# KiCad board MurPhySDR.kicad_pcb (continued)
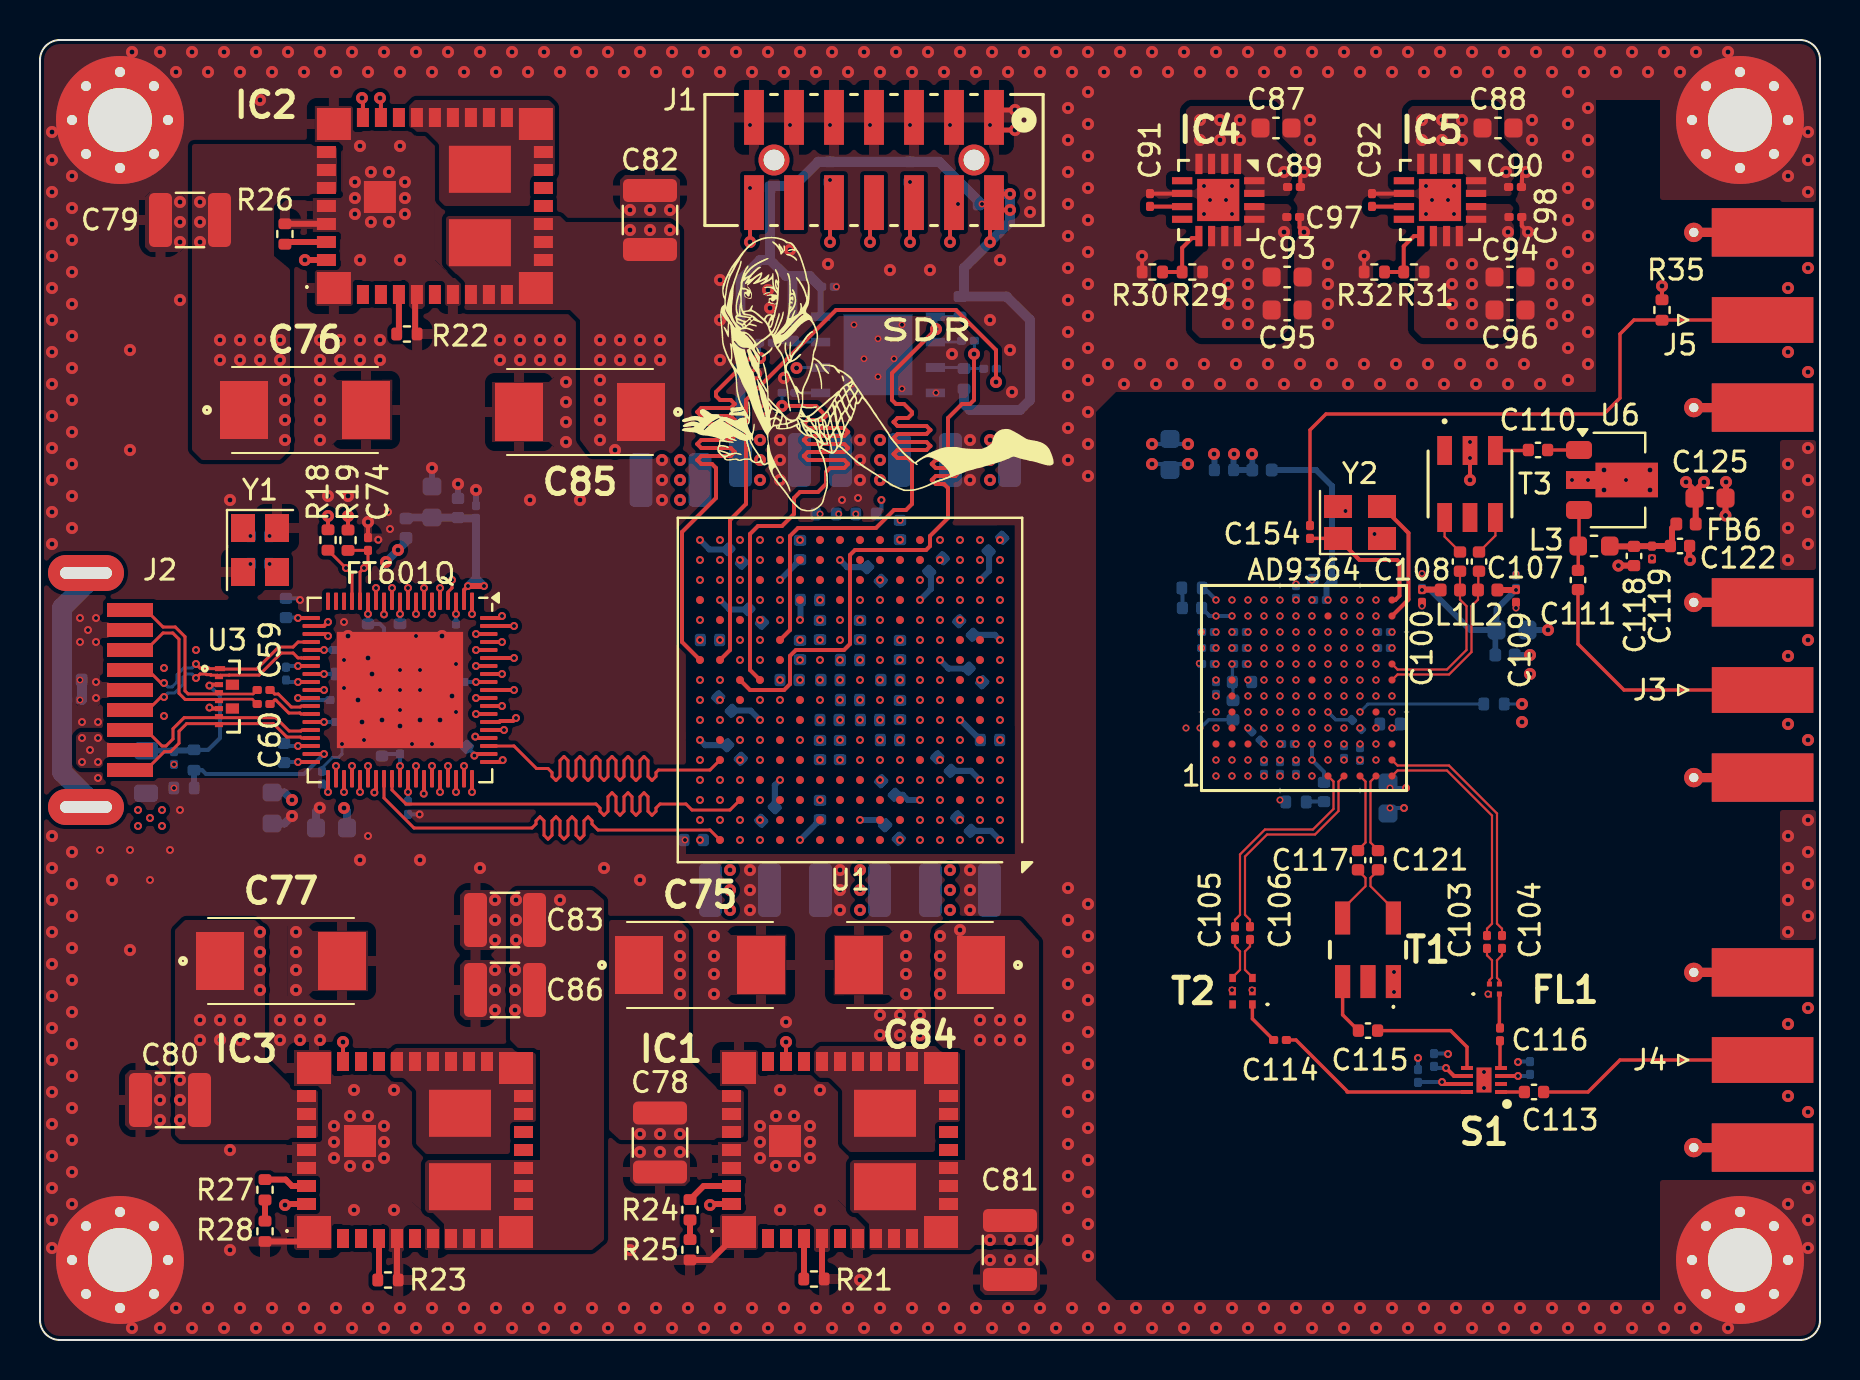
[diagram p0: board, top side]
## Routing (per net, layer and track width the routed paths; a pad name or vN(x,y) marks a point on that pad's centre or on a via; arc(x,y) is an arc through that point) (continued)
RFE_P0D9: length 23.8
  In5.Cu w0.15: v3(48,33) 48.5,33 48.6,33.1 48.9,33.1 49.06,32.94 49.06,32.77 49.23,32.6 49.4,32.77 49.4,33.2 49.49,33.3 49.63,33.3 49.72,33.2 49.72,32.77 49.89,32.6 50.06,32.77 50.06,33.2 50.15,33.3 50.29,33.3 50.38,33.2 50.38,32.82 50.55,32.65 50.72,32.82 50.72,33.2 50.81,33.3 50.95,33.3 51.04,33.2 51.04,32.82 51.21,32.65 51.38,32.82 51.38,33.2 51.47,33.3 51.61,33.3 51.71,33.2 51.71,32.77 51.87,32.6 52.03,32.77 52.03,33.2 52.13,33.3 52.27,33.3 52.37,33.2 52.37,32.72 52.53,32.55 52.69,32.72 52.69,33.2 52.79,33.3 52.93,33.3 53.03,33.2 53.03,32.72 53.19,32.55 53.35,32.72 53.35,33.2 53.45,33.3 53.59,33.3 53.69,33.2 53.69,32.82 53.85,32.65 54.01,32.82 54.01,33.2 54.11,33.3 54.25,33.3 54.34,33.2 54.34,32.82 54.51,32.65 54.68,32.82 54.68,33.2 54.77,33.3 54.91,33.3 55,33.2 55,32.82 55.17,32.65 55.34,32.82 55.34,32.94 55.5,33.1 55.66,32.94 55.66,32.77 55.83,32.6 60.8,32.6 v3(61.2,33)
RFE_P0D10: length 24.1
  In5.Cu w0.15: v3(48,36) 49.5,36 50.6,37.1 50.77,37.1 50.94,36.94 50.94,36.72 51.1,36.55 51.26,36.72 51.26,36.94 51.43,37.1 51.59,36.94 51.59,36.72 51.76,36.55 51.93,36.72 51.93,36.94 52.09,37.1 52.25,36.94 52.25,36.72 52.42,36.55 52.59,36.72 52.59,36.94 52.75,37.1 52.91,36.94 52.91,36.72 53.08,36.55 53.25,36.72 53.25,36.94 53.41,37.1 53.57,36.94 53.57,36.72 53.74,36.55 53.91,36.72 53.91,36.94 54.07,37.1 54.24,36.94 54.24,36.72 54.4,36.55 54.56,36.72 54.56,36.94 54.73,37.1 54.9,36.94 54.9,36.72 55.06,36.55 55.22,36.72 55.22,36.94 55.39,37.1 55.56,36.94 55.56,36.72 55.72,36.55 55.88,36.72 55.88,36.94 56.05,37.1 56.22,36.94 56.22,36.72 56.38,36.55 56.54,36.72 56.54,36.94 56.71,37.1 56.88,36.94 56.88,36.72 57.04,36.55 57.39,36.9 57.9,36.9 58.2,36.6 60.55,36.6 60.8,36.35 60.8,36 61,35.8 61.4,35.8 61.6,35.6 61.6,35.26 61.84,35.02 62.12,35.02 62.4,34.74 62.4,34.55 62.7,34.25 62.7,33.9 v3(62.8,33.8)
RFE_P0D11: length 26.5
  In2.Cu w0.15: v3(45,32) 45.6,32.6 49.2,32.6 49.9,31.9 50.4,31.9 50.77,32.27 50.81,32.27 51,32.09 51,31.71 51.19,31.52 51.21,31.52 51.4,31.71 51.4,32.09 51.59,32.28 51.61,32.28 51.8,32.09 51.8,31.71 51.99,31.52 52.01,31.52 52.2,31.71 52.2,32.09 52.39,32.28 52.41,32.28 52.6,32.09 52.6,31.71 52.79,31.52 52.81,31.52 53,31.71 53,32.09 53.19,32.28 53.21,32.28 53.4,32.09 53.4,31.71 53.59,31.52 53.61,31.52 53.8,31.71 53.8,32.09 53.99,32.28 54.01,32.28 54.2,32.09 54.2,31.71 54.39,31.52 54.41,31.52 54.6,31.71 54.6,32.09 54.79,32.28 54.81,32.28 55,32.09 55,31.71 55.19,31.52 55.21,31.52 55.4,31.71 55.4,32.09 55.59,32.28 55.61,32.28 55.8,32.09 55.8,31.71 55.99,31.52 56.01,31.52 56.2,31.71 56.2,32.09 56.39,32.28 56.41,32.28 56.6,32.09 56.6,31.71 56.79,31.53 56.81,31.53 57.19,31.9 58.4,31.9 58.59,31.72 59.01,31.72 59.9,32.6 61.6,32.6 v3(62,33)
RFE_P1D0: length 25.7
  In5.Cu w0.15: v3(46,40) 47.6,41.6 57,41.6 57.2,41.8 57.4,41.8 57.6,41.6 57.8,41.6 58,41.8 58.2,41.8 58.4,41.6 58.6,41.6 58.8,41.8 59,41.8 59.2,41.6 59.4,41.6 59.6,41.8 59.8,41.8 60,41.6 60.2,41.6 60.4,41.8 60.6,41.8 60.8,41.6 61,41.6 61.2,41.8 61.4,41.8 61.6,41.6 63.2,41.6 66.31,38.48 66.31,36.51 v3(66,36.2)
RFE_P1D1: length 26.7
  In2.Cu w0.15: v3(65.2,37) 65.2,37.7 60.9,42 57.63,42 57.37,42.27 57.23,42.27 57.1,42.13 57.1,41.91 57.01,41.83 56.79,41.83 56.7,41.91 56.7,42.14 56.56,42.27 56.44,42.27 56.3,42.14 56.3,41.91 56.21,41.83 55.99,41.83 55.9,41.91 55.9,42.06 55.84,42.12 55.56,42.12 55.5,42.06 55.5,41.91 55.41,41.83 55.19,41.83 55.1,41.91 55.1,42.14 54.96,42.27 54.84,42.27 54.7,42.14 54.7,41.91 54.61,41.83 54.39,41.83 54.3,41.91 54.3,42.14 54.16,42.27 54.04,42.27 53.9,42.14 53.9,41.92 53.82,41.83 53.57,41.83 53.4,42 50.8,42 48.3,39.5 45.5,39.5 v3(45,40)
RFE_P1D2: length 26.3
  In2.Cu w0.15: v3(66,35.4) 65.58,35.82 65.04,35.82 64,36.86 64,37.15 63.2,37.95 63.2,38.3 60.9,40.6 56.24,40.6 56.09,40.45 55.91,40.45 55.84,40.53 55.84,40.67 55.76,40.75 55.58,40.75 55.5,40.67 55.5,40.53 55.43,40.45 55.25,40.45 55.18,40.53 55.18,40.67 55.1,40.75 54.92,40.75 54.84,40.67 54.84,40.53 54.77,40.45 54.59,40.45 54.51,40.53 54.51,40.67 54.44,40.75 54.26,40.75 54.19,40.67 54.19,40.53 54.11,40.45 53.93,40.45 53.85,40.53 53.85,40.67 53.78,40.75 53.6,40.75 53.53,40.67 53.53,40.53 53.45,40.45 53.27,40.45 53.19,40.53 53.19,40.67 53.12,40.75 52.94,40.75 52.87,40.67 52.87,40.53 52.79,40.45 52.61,40.45 52.53,40.53 52.53,40.67 52.46,40.75 52.28,40.75 52.21,40.67 52.21,40.53 52.13,40.45 51.95,40.45 51.8,40.6 51.3,40.6 49.2,38.5 46.5,38.5 v3(46,38)
RFE_P1D3: length 26.7
  In2.Cu w0.15: v3(65.2,36.2) 64.82,36.58 64.82,37.38 60.9,41.3 58.76,41.3 58.56,41.5 58.43,41.5 58.33,41.4 58.33,41.2 58.23,41.1 58.1,41.1 58,41.2 58,41.4 57.9,41.5 57.77,41.5 57.67,41.4 57.67,41.2 57.57,41.1 57.44,41.1 57.34,41.2 57.34,41.4 57.24,41.5 57.11,41.5 57.01,41.4 57.01,41.2 56.91,41.1 56.78,41.1 56.68,41.2 56.68,41.4 56.58,41.5 56.45,41.5 56.35,41.4 56.35,41.2 56.25,41.1 56.12,41.1 56.02,41.2 56.02,41.4 55.92,41.5 55.79,41.5 55.69,41.4 55.69,41.2 55.59,41.1 55.46,41.1 55.36,41.2 55.36,41.4 55.26,41.5 55.13,41.5 55.03,41.4 55.03,41.2 54.93,41.1 54.8,41.1 54.7,41.2 54.7,41.4 54.6,41.5 54.47,41.5 54.37,41.4 54.37,41.2 54.27,41.1 54.14,41.1 54.04,41.2 54.04,41.4 53.94,41.5 53.81,41.5 53.71,41.4 53.71,41.2 53.61,41.1 53.48,41.1 53.38,41.2 53.38,41.4 53.28,41.5 53.15,41.5 53.05,41.4 53.05,41.2 52.95,41.1 52.82,41.1 52.72,41.2 52.72,41.4 52.62,41.5 52.49,41.5 52.39,41.4 52.39,41.2 52.29,41.1 52.16,41.1 52.06,41.2 52.06,41.4 51.96,41.5 51.83,41.5 51.73,41.4 51.73,41.2 51.63,41.1 51.5,41.1 51.3,41.3 51.1,41.3 48.8,39 v3(48,39)
RFE_P1D4: length 26.7
  In2.Cu w0.15: v3(47,40) 49.6,42.6 55.2,42.6 55.48,42.88 55.66,42.88 55.8,42.74 55.8,42.51 55.89,42.42 56.11,42.42 56.29,42.6 62.3,42.6 66.38,38.52 66.38,34.98 v3(66,34.6)
RFE_P1D5: length 27
  In2.Cu w0.15: v3(65.2,35.4) 65,35.4 63.8,36.6 63.4,36.6 63.2,36.8 63.2,37.2 63,37.4 62.5,37.4 62.4,37.5 62.4,38 60.9,39.5 60.22,39.5 59.62,40.1 59.49,40.1 59.39,40 59.39,39.8 59.29,39.7 59.16,39.7 59.06,39.8 59.06,40 58.96,40.1 58.83,40.1 58.73,40 58.73,39.8 58.63,39.7 58.5,39.7 58.4,39.8 58.4,40 58.3,40.1 58.17,40.1 58.07,40 58.07,39.8 57.97,39.7 57.84,39.7 57.74,39.8 57.74,40 57.64,40.1 57.51,40.1 57.41,40 57.41,39.8 57.31,39.7 57.18,39.7 57.08,39.8 57.08,40 56.98,40.1 56.85,40.1 56.75,40 56.75,39.8 56.65,39.7 56.52,39.7 56.42,39.8 56.42,40 56.32,40.1 56.19,40.1 56.09,40 56.09,39.8 55.99,39.7 55.86,39.7 55.76,39.8 55.76,40 55.66,40.1 55.53,40.1 55.43,40 55.43,39.8 55.33,39.7 55.2,39.7 55.1,39.8 55.1,40 55,40.1 54.87,40.1 54.77,40 54.77,39.8 54.67,39.7 54.54,39.7 54.44,39.8 54.44,40 54.34,40.1 54.21,40.1 54.11,40 54.11,39.8 54.01,39.7 53.88,39.7 53.78,39.8 53.78,40 53.68,40.1 53.55,40.1 53.45,40 53.45,39.8 53.35,39.7 53.22,39.7 53.12,39.8 53.12,40 53.02,40.1 52.89,40.1 52.79,40 52.79,39.8 52.69,39.7 52.56,39.7 52.46,39.8 52.46,40 52.36,40.1 52.23,40.1 52.13,40 52.13,39.8 52.03,39.7 51.9,39.7 51.7,39.9 51.3,39.9 49.5,38.1 49,38.1 48.9,38 v3(48,38)
RFE_P1D6: length 25.7
  In5.Cu w0.15: v3(47,39) 47.5,39.5 48.3,39.5 49.9,41.1 62.8,41.1 65.62,38.28 65.62,36.04 65.86,35.8 66.05,35.8 66.31,35.53 66.31,34.12 v3(66,33.8)
RFE_P1D7: length 24.4
  In5.Cu w0.15: v3(65.2,34.6) 65.51,34.91 65.51,35.53 65.25,35.8 65.1,35.8 64.7,36.2 64.7,36.85 64.72,36.87 64.72,38.49 63.5,39.7 49.3,39.7 48.1,38.5 46.5,38.5 v3(46,39)
RFE_P1D8: length 26.4
  In2.Cu w0.15: v3(66,33) 65.62,33.38 57.8,33.38 57.43,33.01 55.27,33.01 55.02,33.26 54.94,33.26 54.81,33.14 54.81,32.89 54.69,32.77 54.61,32.77 54.49,32.89 54.49,33.14 54.36,33.26 54.28,33.26 54.16,33.14 54.16,32.89 54.03,32.77 53.95,32.77 53.82,32.89 53.82,33.14 53.7,33.26 53.62,33.26 53.5,33.14 53.5,32.89 53.37,32.77 53.29,32.77 53.16,32.89 53.16,33.14 53.04,33.26 52.96,33.26 52.84,33.14 52.84,32.89 52.71,32.77 52.63,32.77 52.5,32.89 52.5,33.14 52.38,33.26 52.3,33.26 52.18,33.14 52.18,32.89 52.05,32.77 51.97,32.77 51.84,32.89 51.84,33.14 51.72,33.26 51.64,33.26 51.51,33.14 51.51,32.89 51.39,32.77 51.31,32.77 51.19,32.89 51.19,33.14 51.06,33.26 50.98,33.26 50.85,33.14 50.85,32.89 50.73,32.77 50.64,32.77 50.4,33.01 49.18,33.01 48.7,33.5 45.5,33.5 v3(45,33)
RFE_P1D9: length 26.5
  In2.Cu w0.15: v3(48,34) 49.4,34 49.51,34.12 49.6,34.12 49.98,33.73 50.01,33.73 50.2,33.92 50.2,34.31 50.39,34.5 50.41,34.5 50.6,34.31 50.6,33.92 50.79,33.73 50.81,33.73 51,33.92 51,34.31 51.19,34.5 51.21,34.5 51.4,34.31 51.4,33.92 51.59,33.73 51.61,33.73 51.8,33.92 51.8,34.31 51.99,34.5 52.01,34.5 52.2,34.31 52.2,33.92 52.39,33.73 52.41,33.73 52.6,33.92 52.6,34.31 52.79,34.5 52.81,34.5 53,34.31 53,33.92 53.19,33.73 53.21,33.73 53.4,33.92 53.4,34.31 53.59,34.5 53.61,34.5 53.8,34.31 53.8,33.92 53.99,33.73 54.01,33.73 54.2,33.92 54.2,34.31 54.39,34.5 54.41,34.5 54.6,34.31 54.6,33.92 54.79,33.73 54.81,33.73 55,33.92 55,34.31 55.19,34.5 55.21,34.5 55.4,34.31 55.4,33.92 55.59,33.73 55.61,33.73 55.8,33.92 55.8,34.31 55.99,34.5 56.01,34.5 56.45,34.06 56.45,33.95 56.59,33.81 56.73,33.95 56.73,34.06 56.87,34.2 57.45,34.2 57.55,34.1 57.65,34.1 57.75,34.2 64.8,34.2 v3(65.2,33.8)
RFE_P1D10: length 25.3
  In2.Cu w0.15: v3(65.2,33) 64.8,32.6 62.6,32.6 62.4,32.4 62.4,32.06 62.16,31.82 61.92,31.82 61.6,31.5 61.6,31.2 61.31,30.91 60.27,30.91 59.35,30 58.66,30 58.46,29.8 58.33,29.8 58.23,29.9 58.23,30.1 58.13,30.2 58,30.2 57.9,30.1 57.9,29.9 57.8,29.8 57.67,29.8 57.57,29.9 57.57,30.1 57.47,30.2 57.34,30.2 57.24,30.1 57.24,29.9 57.14,29.8 57.01,29.8 56.91,29.9 56.91,30.1 56.81,30.2 56.68,30.2 56.58,30.1 56.58,29.9 56.48,29.8 56.35,29.8 56.25,29.9 56.25,30.1 56.15,30.2 56.02,30.2 55.92,30.1 55.92,29.9 55.82,29.8 55.69,29.8 55.59,29.9 55.59,30.1 55.49,30.2 55.36,30.2 55.26,30.1 55.26,29.9 55.16,29.8 55.03,29.8 54.93,29.9 54.93,30.1 54.83,30.2 54.7,30.2 54.6,30.1 54.6,29.9 54.5,29.8 54.37,29.8 54.27,29.9 54.27,30.1 54.17,30.2 54.04,30.2 53.94,30.1 53.94,29.9 53.84,29.8 53.71,29.8 53.61,29.9 53.61,30.1 53.51,30.2 53.38,30.2 53.28,30.1 53.28,29.9 53.18,29.8 53.05,29.8 52.95,29.9 52.95,30.1 52.85,30.2 52.72,30.2 52.62,30.1 52.62,29.9 52.52,29.8 52.39,29.8 52.29,29.9 52.29,30.1 52.19,30.2 52.06,30.2 51.96,30.1 51.96,29.9 51.86,29.8 51.73,29.8 51.63,29.9 51.63,30.1 51.53,30.2 51.4,30.2 51.2,30 50.6,30 49.6,31 v3(48,31)
RFE_P1D11: length 24.3
  In5.Cu w0.15: v3(64.4,33.8) 64.4,34.15 64.72,34.47 64.72,35.53 64,36.25 64,38.4 63.1,39.3 54.19,39.3 54.01,39.12 53.79,39.12 53.7,39.21 53.7,39.35 53.65,39.4 53.35,39.4 53.3,39.35 53.3,39.2 53.2,39.11 53,39.11 52.9,39.2 52.9,39.35 52.85,39.4 52.55,39.4 52.5,39.35 52.5,39.2 52.4,39.11 52.19,39.11 52,39.3 50.1,39.3 48.3,37.5 47.5,37.5 v3(47,37)
RFE_RESETB: length 42.6
  In5.Cu w0.15: v3(45,38) 44.5,38.5 44.5,40.1 44.9,40.5 45.1,40.5 47.1,42.5 63.5,42.5 67.2,38.8 67.2,33.75 66.85,33.4 65.95,33.4 65.69,33.13 65.69,31.72 v3(66,31.4)
  Bottom w0.15: R36.2 66.4,31.8 v3(66,31.4)
RFE_RX_FRAME_P: length 24.4
  In5.Cu w0.15: v3(48,37) 48.4,37 50.2,38.8 50.5,38.8 50.6,38.7 50.85,38.7 50.9,38.75 50.9,38.85 50.95,38.9 51.2,38.9 51.25,38.85 51.25,38.75 51.3,38.7 51.55,38.7 51.6,38.75 51.6,38.85 51.65,38.9 51.9,38.9 51.95,38.85 51.95,38.75 52,38.7 52.25,38.7 52.35,38.8 52.6,38.8 52.7,38.7 52.95,38.7 53.05,38.8 53.3,38.8 53.4,38.7 53.65,38.7 53.75,38.8 54,38.8 54.1,38.7 54.35,38.7 54.4,38.75 54.4,38.85 54.45,38.9 54.7,38.9 54.75,38.85 54.75,38.75 54.8,38.7 55.05,38.7 55.1,38.75 55.1,38.85 55.15,38.9 55.4,38.9 55.45,38.85 55.45,38.75 55.5,38.7 55.75,38.7 55.8,38.75 55.8,38.85 55.85,38.9 56.1,38.9 56.15,38.85 56.15,38.75 56.2,38.7 56.45,38.7 56.5,38.75 56.5,38.85 56.55,38.9 56.8,38.9 56.85,38.85 56.85,38.75 56.9,38.7 57.15,38.7 57.2,38.75 57.2,38.85 57.25,38.9 57.5,38.9 57.55,38.85 57.55,38.75 57.6,38.7 57.85,38.7 57.9,38.75 57.9,38.85 57.95,38.9 58.2,38.9 58.25,38.85 58.25,38.75 58.3,38.7 58.55,38.7 58.6,38.75 58.6,38.85 58.65,38.9 58.9,38.9 58.95,38.85 58.95,38.75 59,38.7 59.25,38.7 59.3,38.75 59.3,38.85 59.35,38.9 59.6,38.9 59.65,38.85 59.65,38.75 59.7,38.7 59.95,38.7 60.05,38.8 62.6,38.8 63.2,38.2 63.2,35.98 63.47,35.72 63.73,35.72 63.98,35.47 63.98,34.18 v3(63.6,33.8)
RFE_SPI_CLK: length 24.5
  In5.Cu w0.15: v3(65.2,31.4) 65.51,31.09 65.51,28.62 61.9,25 55.72,25 55.59,25.13 55.32,25.13 55.19,25 48.97,25 48.47,25.5 46.5,25.5 v3(46,25)
RFE_SPI_DI: length 26.5
  In2.Cu w0.15: v3(48,27) 48.5,27 51,24.5 52.2,24.5 52.6,24.9 52.6,24.9 52.8,24.7 52.8,24.35 52.95,24.2 53.05,24.2 53.2,24.35 53.2,24.7 53.4,24.9 53.4,24.9 53.6,24.7 53.6,24.35 53.75,24.2 53.85,24.2 54,24.35 54,24.7 54.2,24.9 54.2,24.9 54.4,24.7 54.4,24.35 54.55,24.2 54.65,24.2 54.8,24.35 54.8,24.7 55,24.9 55,24.9 55.2,24.7 55.2,24.35 55.35,24.2 55.45,24.2 55.6,24.35 55.6,24.7 55.8,24.9 55.8,24.9 56,24.7 56,24.35 56.15,24.2 56.25,24.2 56.55,24.5 60.8,24.5 64.72,28.42 64.72,30.12 v3(65.2,30.6)
RFE_SPI_DO: length 25.7
  In5.Cu w0.15: v3(47,25) 47.4,24.6 54.69,24.6 54.87,24.42 55.1,24.42 55.19,24.51 55.19,24.65 55.24,24.7 55.54,24.7 55.59,24.65 55.59,24.51 55.68,24.42 55.9,24.42 55.99,24.51 55.99,24.65 56.04,24.7 56.34,24.7 56.39,24.65 56.39,24.53 56.46,24.46 56.72,24.46 56.86,24.6 62.05,24.6 66.4,28.95 66.4,31.8 v3(66.8,32.2)
RFE_SPI_ENB: length 26.7
  In2.Cu w0.15: v3(47,26) 47.5,25.5 48.6,25.5 50.7,23.4 54.7,23.4 54.83,23.27 55.1,23.27 55.23,23.4 61.7,23.4 66.31,28.01 66.31,31.88 v3(66,32.2)
RFE_TX_FRAME_P: length 24.3
  In5.Cu w0.11: v3(46,37) 46.37,36.63 48.2,36.63 48.27,36.7 48.4,36.7
  In5.Cu w0.15: v3(63.6,34.6) 63.6,34.8 63.18,35.22 63.18,35.56 62.96,35.78 62.64,35.78 62.31,36.11 62.31,37.13 62.02,37.43 61.67,37.43 61.61,37.49 61.61,37.83 61.55,37.89 61.21,37.89 61.15,37.95 61.15,38.3 60.51,38.3 60.27,38.06 60.18,38.06 59.94,38.3 59.85,38.3 59.61,38.06 59.52,38.06 59.28,38.3 59.19,38.3 58.95,38.06 58.86,38.06 58.62,38.3 58.53,38.3 58.29,38.06 58.2,38.06 57.96,38.3 57.87,38.3 57.63,38.06 57.54,38.06 57.3,38.3 57.21,38.3 56.97,38.06 56.88,38.06 56.64,38.3 56.55,38.3 56.31,38.06 56.22,38.06 55.98,38.3 55.89,38.3 55.65,38.06 55.56,38.06 55.32,38.3 55.23,38.3 54.99,38.06 54.9,38.06 54.66,38.3 54.57,38.3 54.33,38.06 54.24,38.06 54,38.3 53.91,38.3 53.67,38.06 53.58,38.06 53.34,38.3 53.25,38.3 53.01,38.06 52.92,38.06 52.68,38.3 52.59,38.3 52.35,38.06 52.26,38.06 52.02,38.3 51.93,38.3 51.69,38.06 51.6,38.06 51.36,38.3 51.27,38.3 51.03,38.06 50.94,38.06 50.7,38.3 50.5,38.3 48.9,36.7 48.4,36.7
RFE_TXNRX: length 26.5
  In2.Cu w0.15: v3(47,27) 47.5,26.5 48.3,26.5 50.9,23.9 57,23.9 57.24,24.14 57.43,24.14 57.55,24.02 57.55,23.83 57.62,23.75 57.88,23.75 57.95,23.83 57.95,24.02 58.07,24.14 58.23,24.14 58.47,23.9 61.4,23.9 65.6,28.1 65.6,30.8 65.42,30.98 64.78,30.98 v3(64.4,30.6)
Net-(C100-Pad1): length 10
  Top w0.3: 69.2,37.52 70.01,37.52 L1.1 ; v3(73.8,37.5) L2.1
  Bottom w0.3: FB5.1 72.76,35.44 C99.1 ; v3(69.1,37.5) 69.12,37.52 69.5,37.52 71.52,35.5 C99.1 ; C109.1 72.82,36.54 C99.1
Net-(C118-Pad1): length 4.3
  Top w0.3: 79.76,39.62 C118.1 78.51,39.68 L3.1 ; FB6.1 81.6,40.59 81.6,39.78 C122.2 80.6,39.7 C119.1 79.76,39.69
Net-(C140-Pad1): length 0.8
  Bottom w0.2: C140.1 57.12,37.41
Net-(C141-Pad1): length 0.9
  Bottom w0.2: C141.1 63.33,26.92 R34.1
Net-(IC1-PWRGD): length 80
  Top w0.2: IC2.28 16.15,62.05 v1(16.1,62.1) ; IC1.27 v1(37.3,14.9)
  In2.Cu w0.2: v1(16.1,62.1) 15.1,62.1 10,57 10,52 8,50 8,35 9,34 9,24 10,23 28,23 29,22 29,16 30.1,14.9 v1(37.3,14.9)
Net-(IC1-RT/CLK): length 2
  Top w0.3: 38.19,5.06 IC1.4 38.2,3.06 R21.1
Net-(IC1-VADJ): length 2.4
  Top w0.3: R24.1 33.18,7.7 IC1.35
Net-(IC2-PWRGD): length 62.1
  Top w0.2: v1(17,62.1) 17.05,62.05 IC2.27 ; v1(15.15,14.9) IC3.28
  In2.Cu w0.2: v1(15.15,14.9) 15.15,20.85 14,22 9.5,22 8,23.5 8,31 7,32 7,50.5 9,52.5 9,58 13.75,62.75 16.35,62.75 v1(17,62.1)
Net-(IC2-RT/CLK): length 1.9
  Top w0.3: 17.95,52.28 17.95,50.41
Net-(IC2-VADJ): length 2
  Top w0.3: IC2.35 12.29,54.9
Net-(IC3-RT/CLK): length 1.9
  Top w0.3: IC3.4 16.95,3.21
Net-(IC3-VADJ): length 2.2
  Top w0.3: R27.1 12.28,8.02 12.6,7.7 IC3.35
Net-(IC4-ADJ): length 3.2
  Top w0.2: 57.95,55.1 57.6,55.1 57.11,54.61 R29.2 56.13,53.4
Net-(IC4-SS): length 1.6
  Top w0.2: IC4.7 55.51,56.67 C91.1
Net-(IC5-ADJ): length 3.3
  Top w0.2: IC5.9 68.7,55.2 68.19,54.69 R31.2 R32.1
Net-(IC5-SS): length 1.6
  Top w0.2: C92.1 66.61,56.67 IC5.7
Net-(J2-SHIELD): length 12.7
  Bottom w1: J2.10 2.3,27.2 1.1,28.4 1.1,36.6 2.3,37.8 J2.10
Net-(J5-In): length 31.6
  Top w0.15: 86.12,50.99 J5.1
  Top w0.17: C154.2 63.5,45.5 64.3,46.3 78.2,46.3 79,47.1 79,50.3 79.7,51 J5.1
Net-(R24-Pad2): length 1
  Top w0.3: R24.2 R25.1
Net-(R27-Pad2): length 1.1
  Top w0.3: R28.1 R27.2
Net-(U1A-IO_L1N_T0_D01_DIN_14): length 31.1
  Top w0.2: v1(46.7,49.3) 46.7,47 46.5,46.8 46.1,46.8 45.4,46.1 45.4,44.2 45.2,44 44.79,44 44.59,43.8 44.79,43.6 45.76,43.6 45.96,43.4 45.76,43.2 44.79,43.2 44.59,43 44.79,42.8 45.2,42.8 45.4,42.6 45.4,41.1 44.5,40.2 44.5,39.7 44.3,39.5 40.75,39.5 40.5,39.25 40.5,34.8 40.2,34.5 37.8,34.5 37.5,34.2 37.5,32.8 37.2,32.5 35.5,32.5 U1.J14
  Bottom w0.15: 46.7,49.46 v1(46.7,49.3) 46.72,49.48 R5.2
Net-(U1A-IO_L1P_T0_D00_MOSI_14): length 31.1
  Top w0.2: U1.J13 35.5,33.5 35.5,40.3 35.9,40.7 37.1,40.7 37.7,41.3 37.7,42.1 38,42.4 38.9,42.4 39.3,42.8 39.3,43.4 39.5,43.6 40.21,43.6 40.41,43.8 40.21,44 38.39,44 38.19,44.2 38.39,44.4 40.21,44.4 40.41,44.6 40.21,44.8 38.39,44.8 38.19,45 38.39,45.2 40.21,45.2 40.41,45.4 40.21,45.6 38.39,45.6 38.19,45.8 38.39,46 39.1,46 39.3,46.2 38.8,46.7 v1(37.1,46.7)
  Bottom w0.15: R4.2 37.1,46.87 v1(37.1,46.7) 37.1,46.86
Net-(U1A-IO_L2N_T0_D03_14): length 31.3
  Top w0.2: v1(36,49.1) 35.5,49.1 33.8,47.4 33.8,47.2 34,47 34.54,47 34.74,46.8 34.54,46.6 33.06,46.6 32.86,46.4 33.06,46.2 34.54,46.2 34.74,46 34.54,45.8 33.06,45.8 32.86,45.6 33.06,45.4 34.54,45.4 34.74,45.2 34.54,45 33.06,45 32.86,44.8 33.06,44.6 34.54,44.6 34.74,44.4 34.54,44.2 33.06,44.2 32.86,44 33.06,43.8 33.6,43.8 33.8,43.6 33.8,42.1 32.1,40.4 32.1,34.9 U1.K16
  Bottom w0.15: R7.2 35.98,49.38 v1(36,49.1) 36,49.36
Net-(U1A-IO_L2P_T0_D02_14): length 31.2
  Top w0.2: v1(47.8,47.9) 47.8,49.5 45.8,51.5 39.8,51.5 35.3,47 35.3,41.8 34.5,41 34.5,34.5 U1.K15
  Bottom w0.15: R6.2 47.82,48.08 v1(47.8,47.9) 47.8,48.06
Net-(U1A-IO_L6P_T0_FCS_B_14): length 32.4
  Top w0.2: v1(44.8,50.54) 42.6,48.34 42.6,47 42.8,46.8 43.2,46.8 43.6,46.4 43.6,46.3 43.4,46.1 42.88,46.1 42.68,45.9 42.88,45.7 44.32,45.7 44.52,45.5 44.32,45.3 42.88,45.3 42.68,45.1 42.88,44.9 44.32,44.9 44.52,44.7 44.32,44.5 42.88,44.5 42.68,44.3 42.88,44.1 43.4,44.1 43.6,43.9 43.6,41.8 43.3,41.5 42.7,41.5 41.8,40.6 37.9,40.6 37.5,40.2 37.5,35.5 U1.L12
  Bottom w0.15: 46.2,51.15 46.19,51.17 U2.1 44.8,51.14 v1(44.8,50.54)
Net-(U1C-DONE_0): length 13.2
  In5.Cu w0.2: v2(42.07,42) 38.5,38.43 38.5,34.9 38.9,34.5 39.3,34.5 39.5,34.3 39.5,32.5 v3(39,32)
  Bottom w0.2: R10.2 41.81,41.31 42.07,41.57 v2(42.07,42) 42.1,42
Net-(U1C-INIT_B_0): length 9.2
  In5.Cu w0.2: v3(39,34) 38.52,34 37.6,34.92 37.6,40.7 38.2,41.3 v3(39,41.3)
Net-(U1C-PROGRAM_B_0): length 24.7
  Top w0.2: 35.5,56.87 v1(35.5,54.9)
  In2.Cu w0.2: v1(35.5,54.9) 39.66,50.74 39.66,46.2 39.86,46 39.87,46 40.07,45.8 39.87,45.6 39.45,45.6 39.25,45.4 39.53,45.12 39.53,35.47 v3(40,35)
  vias: v3(35.5,57.6)
Net-(U1C-TCK_0): length 22.5
  Top w0.2: 43.5,56.87 v1(43.5,54.9)
  In5.Cu w0.2: v1(43.5,54.9) 43.54,54.86 43.54,36.54 v3(42,35)
  vias: v3(43.5,57.9)
Net-(U1C-TDI_0): length 24.7
  Top w0.2: 39.5,56.87 v1(39.5,54.9)
  In2.Cu w0.2: v1(39.5,54.9) 41.56,52.84 41.56,47.5 41.34,47.28 40.85,47.28 40.63,47.05 40.85,46.82 41.87,46.82 42.09,46.6 41.87,46.38 40.85,46.38 40.63,46.15 40.85,45.93 41.34,45.93 41.56,45.7 41.56,37.44 v3(42,37)
  vias: v3(39.5,58)
Net-(U1C-TDO_0): length 22.5
  Top w0.2: 41.5,56.87 v1(41.5,54.9)
  In5.Cu w0.2: v3(41,37) 41.5,37.5 42.35,37.5 42.9,38.05 42.9,39.5 42.6,39.8 42.6,46.2 42.4,46.4 42.17,46.4 41.97,46.6 42.17,46.8 42.4,46.8 42.6,47 42.6,48.4 41.5,49.5 v1(41.5,54.9)
Net-(U1C-TMS_0): length 24.7
  Top w0.2: 45.5,56.87 v1(45.5,54.9)
  In2.Cu w0.2: v1(45.5,54.9) 45.5,52.68 43.8,50.98 43.8,49.4 42.5,48.1 42.5,47.25 42.7,47.05 43.12,47.05 43.32,46.85 43.12,46.65 42.7,46.65 42.5,46.45 42.7,46.25 43.12,46.25 43.32,46.05 43.12,45.85 42.7,45.85 42.5,45.65 42.5,36.5 v3(42,36)
  vias: v3(45.9,56.8)
Net-(U2-RESET#/SIO3): length 2.5
  Bottom w0.15: R7.1 37.53,49.86 R2.2 37.68,49.9 U2.7
Net-(U2-SI/SIO0): length 1.3
  Bottom w0.15: U2.5 37.75,47.36 R4.1
Net-(U2-SO/SIO1): length 1.3
  Bottom w0.15: U2.2 46.03,49.9 46.08,49.94
Net-(U2-WP#/SIO2): length 2.5
  Bottom w0.15: 47.18,48.66 47.09,48.57 R3.2 46.15,48.63 U2.3
Net-(U4A-VBUS): length 8.7
  Top w0.2: U4.37 v2(14.2,29.3) 14,29.3
  Bottom w0.2: v2(14.2,29.3) 13.2,28.3 8.3,28.3 8.11,28.49 R15.1
  Bottom w0.3: R15.1 7.7,27.61
Net-(U4B-~{SIWU}): length 1.3
  Top w0.2: 18,36.5 v2(18,36.3) U4.10
  Bottom w0.2: R17.2 v2(18,36.3)
Net-(U4C-RREF): length 1.4
  Top w0.2: 14,33.3 v2(14.2,33.3) U4.27
  Bottom w0.2: v2(14.2,33.3) R14.1
Net-(U5E-RX_VCO_LDO_OUT): length 2.2
  Bottom w0.2: v3(63.6,29.8) v3(63.6,29) 64.2,28.4 C141.2
Net-(U5E-TX_VCO_LDO_OUT): length 1.7
  Bottom w0.2: C140.2 58.48,36.2 v3(58.8,36.2) v3(59.6,36.2)
Net-(U5E-VDD_GPO): length 1.9
  Bottom w0.17: 59.7,32.19 59.68,32.21 ; FB7.1 59.65,32.87 C145.1 59.62,33.74 C138.1
  vias: v3(59.6,33.8)
Net-(U5E-VDD_INTERFACE): length 9.2
  Bottom w0.3: C139.1 64.32,37.72 C144.1 64.6,42.7 63.8,43.5 FB8.1
  vias: v3(64.4,37)
Net-(U5H-RBIAS):
  vias: v3(66.8,30.6)

## Copper pours and planes (outline as drawn; the poured copper is in the pictures)
+1V0 on Top: 40.5,6.5 40.65,6.35 40.9,6.35 41.45,5.8 41.45,4.5 46.5,4.5 46.75,4.75 49.75,4.75 49.95,5 49.95,19.94 49,21 45.5,21 44.75,20.5 44.75,15 45.25,14.5 46.25,14.5 46.25,9 40.65,9 40.5,8.85
+1V0 on Bottom: 42.5,24 42.75,23.75 42.75,21.25 42.5,21 41,21 40.75,21.25 40.75,23.75 41,24
+1V0 on In4.Cu: 37,4.5 37,24.75 38,25.75 39,25.75 39.5,26.25 39.5,27 37,29.5 37,30.35 39.01,30.35 39.6,30.8 39.6,33.8 41,35.25 43.25,35.25 43.5,35 43.5,29.5 43.25,29.25 42,29.25 41.75,29 41.75,24 42,23.75 42.5,23.75 43,23.25 43,21.25 43.5,20.75 45,20.75 46,19.75 46,18.75 47,17.75 50,17.75 51,16.75 51,4.5
+1V3_A on Top: 60.2,56.8 62.4,56.8 62.6,56.6 62.6,55.2 62.4,55 62.4,50.5 62,50.1 58,50.1 57.6,50.5 57.6,53.8 58.4,54.6 58.4,55.6 58.6,55.8 60,55.8 60.2,56
+1V3_A on In4.Cu: 56.5,56.75 56.25,56.5 56.25,50.5 63,43.75 63,41.75 63.5,41.25 63.5,37 63,36.5 61.5,36.5 61.5,35.75 59.25,35.75 59.25,33.5 60,33.5 60.25,33.25 60.25,31 62.5,31 62.75,30.75 62.75,29.5 62.5,29.25 61.75,29.25 61.75,27.75 66.25,27.75 66.5,27.5 66.5,25.5 66.75,25.25 68.25,25.25 68.5,25.5 68.5,29.25 68.25,29.5 67.25,29.5 67,29.75 67,30 66.75,30.25 65.5,30.25 65.5,34 68.25,36.75 68.25,56.75
+1V3_B on Top: 71.3,56.8 73.5,56.8 73.7,56.6 73.7,55.2 73.5,55 73.5,50.5 73.1,50.1 69.1,50.1 68.7,50.5 68.7,53.8 69.5,54.6 69.5,55.6 69.7,55.8 71.1,55.8 71.3,56
+1V3_B on In4.Cu: 68.25,56.75 68.25,36.75 65.5,34 65.5,30.25 66.75,30.25 67,30 67,29.75 67.25,29.5 68.25,29.5 68.5,29.25 68.5,25.5 68.25,25.25 66.75,25.25 66.5,25.5 66.5,27.5 66.25,27.75 61.75,27.75 61.75,29.25 62.5,29.25 62.75,29.5 62.75,30.75 62.5,31 60.25,31 60.25,33.25 60,33.5 59.25,33.5 59.25,35.75 61.5,35.75 61.5,36.5 63,36.5 63.5,37 63.5,41.25 63,41.75 63,43.25 58.25,43.25 58,43.5 58,45.5 57.75,45.75 54.65,45.75 54.4,45.5 54,22.25 54.25,22 72.25,22 73,22.75 73,30.75 72.75,31 72.75,33 73.25,33.5 74.25,33.5 78.25,37.5 78.25,56.5 78,56.75
+1V8 on Top: 21.1,51.7 21.1,53 20.3,53.8 20.3,56.1 20.4,56.2 26,56.2 26.3,55.9 31.5,55.9 32,55.5 32,44.75 31.5,44.25 27.56,44.25 27,45 27,51 26.5,51.5 21.3,51.5
+1V8 on Top: 57.3,58.5 57.5,58.3 60,58.3 60.2,58.1 60.2,57.2 62.4,57.2 62.6,57.4 62.6,59.2 61.8,60 61.8,61.5 61.6,61.7 57.5,61.7 57.3,61.5
+1V8 on Top: 68.4,58.5 68.6,58.3 71.1,58.3 71.3,58.1 71.3,57.2 73.5,57.2 73.7,57.4 73.7,59.2 72.9,60 72.9,61.5 72.7,61.7 68.6,61.7 68.4,61.5
+1V8 on Bottom: 49,45.5 49.25,45.25 49.25,42.75 49,42.5 47.5,42.5 47.25,42.75 47.25,45.25 47.5,45.5
+1V8 on Bottom: 44,21 43.75,21.25 43.75,23.75 44,24 45.5,24 45.75,23.75 45.75,21.25 45.5,21
+1V8 on Bottom: 43.5,45.5 43.75,45.25 43.75,42.75 43.5,42.5 42,42.5 41.75,42.75 41.75,45.25 42,45.5
+1V8 on In4.Cu: 14,63 14,44 31.5,44 31.8,44.3 32.2,44.3 32.5,44 33.8,44 33.8,45.8 37,45.8 37,44 39,42 41,42 42,41 42,40 42.5,39.5 42.5,38 42.25,37.75 40.9,37.75 39.1,36 38,36 37,35 37,34 38,33 38,32 37,31 37,30.35 39.01,30.35 39.6,30.8 39.6,33.8 41,35.25 43.25,35.25 43.5,35 43.5,29.75 43.25,29.5 42,29.25 41.75,29 41.75,24 42,23.75 42.5,23.75 43,23.25 43,21.25 43.5,20.75 45,20.75 46,19.75 46,18.75 47,17.75 50,17.75 51,16.75 51,4.5 79.5,4.5 79.5,7.88 82.5,11 84.5,11 84.5,41.5 82,41.5 82,43.5 87,43.5 87,56.75 78,56.75 78.25,56.5 78.25,37.5 74.25,33.5 73.25,33.5 72.75,33 72.75,31 73,30.75 73,22.75 72.25,22 54.25,22 54,22.25 54.4,45.5 54.65,45.75 57.75,45.75 58,45.5 58,43.5 58.25,43.25 63,43.25 63,43.75 56.25,50.5 56.25,56.5 56.5,56.75 81,56.75 81,63
+3V3 on Top: 19.25,6.5 19.4,6.35 19.65,6.35 20.2,5.8 20.2,4.5 27.6,4.5 28.2,5 28.2,22 27.6,22.5 23.8,22.5 23.5,22.2 23.5,15 24,14.5 25,14.5 25,9 19.4,9 19.25,8.85
+3V3 on Bottom: 33,21 32.75,21.25 32.75,23.75 33,24 34.5,24 34.75,23.75 34.75,21.25 34.5,21
+3V3 on Bottom: 34.5,42.5 34.25,42.75 34.25,45.25 34.5,45.5 36,45.5 36.25,45.25 36.25,42.75 36,42.5
+3V3 on Bottom: 33.5,44.5 33.75,44.25 33.75,41.75 33.5,41.5 32,41.5 31.75,41.75 31.75,44.25 32,44.5
+3V3 on In4.Cu: 16,9 17,8 28,8 29,9 29,20 30,21 37,21 37,25 38,26 39,26 39.5,26.5 39.5,27.25 37,29.75 37,31 38,32 38,33 37,34 37,35 38,36 39.1,36 40.9,37.75 42.25,37.75 42.5,38 42.5,39.5 42,40 42,41 41,42 39,42 37,44 37,45.8 33.8,45.8 33.8,44 32.5,44 32.2,44.3 31.8,44.3 31.5,44 14,44 13,43 8,43 7,42 7,28 16,19
+5V on Top: 14.6,59.8 14.85,59.6 14.85,57.4 14.6,57.2 12.2,57.2 11.7,56.7 11.7,54.2 12.5,53.54 12.5,44.5 12,44 8.1,44 7.6,44.5 7.6,59.8
+5V on Top: 34.95,10 35.2,10.2 35.2,12.4 34.95,12.6 33.85,12.6 32.45,14 32.45,20.5 31.95,21 28.45,21 28.45,10.5 29,10
+5V on Top: 13.75,10 14,10.2 14,12.4 13.75,12.6 12.65,12.6 11.25,14 11.25,20.5 10.75,21 7.25,21 6.75,20.5 6.75,10.25 7,10
+5V on Bottom: 6,27.7 5.8,27.9 4.8,27.9 4.6,27.7 4.6,25.5 4.7,25.4 6.2,25.4 6.4,25.6 6.4,26.7 6,27.1
+5V on In4.Cu: 0,65 0,0 37,0 37,21 30,21 29,20 29,9 28,8 17,8 16,9 16,19 7,28 7,42 8,43 13,43 14,44 14,65
+5V on In4.Cu: 37,2 87,2 87,43.5 82,43.5 82,41.5 84.5,41.5 84.5,11 83.25,11 79.5,7 79.5,4.5 37,4.5
GND on Top: 52.8,49.2 76,49.2 76,63 77.8,63 77.8,47.4 52.8,47.4
GND on Top: 89,45 87,45 87,38.5 89,38.5
GND on Top: 32.5,7.95 32.25,7.7 29.75,7.7 29.5,7.95 29.5,9.45 29.75,9.7 32.25,9.7 32.5,9.45
GND on Top: 13.75,61.7 13.75,59.9 14.95,59.9 15.15,59.7 15.15,57.2 15.05,57.1 13.65,57.1 13.65,55.4 14.95,55.4 15.05,55.3 15.05,53.7 14.85,53.5 13.85,53.5 13.75,53.4 13.75,51.8 13.85,51.7 15.55,51.7 15.65,51.8 15.65,52.9 15.75,53 18.25,53 18.45,52.8 18.45,51.7 18.6,51.55 19.1,51.55 19.25,51.7 19.25,52.8 19.35,52.9 20.15,52.9 20.25,52.8 20.25,51.8 20.35,51.7 20.95,51.7 21.05,51.8 21.05,52.8 20.75,53.1 20.65,53.1 19.75,54 19.75,59.7 19.25,60.2 18.75,60.2 18.55,60.4 15.75,60.4 15.65,60.5 15.65,61.6 15.55,61.7
GND on Top: 52.8,2 52.8,3 53.8,2
GND on Top: 87,56.9 89,56.9 89,65 87,65
GND on Top: 34.3,17 33.3,17 33.3,20.5 34.3,20.5 34.55,20.25 37.31,20.26 37.31,17.24 34.55,17.25
GND on Top: 87,8 89,8 89,0 87,0
GND on Top: 13.39,17.2 12.39,17.2 12.39,20.7 13.39,20.7 13.64,20.45 16.4,20.46 16.4,17.44 13.64,17.45
GND on Top: 3.5,35.8 3.4,35.9 3.1,35.9 3,36 3,36.2 2.9,36.3 1.9,36.3 1.8,36.2 1.8,34.8 1.9,34.7 2.9,34.7 3,34.8 3,35 3.1,35.1 3.4,35.1 3.5,35.2
GND on Top: 77.8,63 81,63 81,62 77.8,62
GND on Top: 12.7,14.5 12.7,12.7 13.9,12.7 14.1,12.5 14.1,10 14,9.9 12.6,9.9 12.6,8.2 13.9,8.2 14,8.1 14,6.5 13.8,6.3 12.8,6.3 12.7,6.2 12.7,4.6 12.8,4.5 14.5,4.5 14.6,4.6 14.6,5.7 14.7,5.8 17.2,5.8 17.4,5.6 17.4,4.5 17.5,4.4 18.1,4.4 18.2,4.5 18.2,5.6 18.3,5.7 19.1,5.7 19.2,5.6 19.2,4.6 19.3,4.5 19.9,4.5 20,4.6 20,5.6 19.7,5.9 18.6,6.9 18.6,12.4 18.1,12.9 17.6,12.9 17.3,13.2 14.7,13.2 14.6,13.3 14.6,14.4 14.5,14.5
GND on Top: 29,58 29.25,58.25 31.75,58.25 32,58 32,56.5 31.75,56.25 29.25,56.25 29,56.5
GND on Top: 34,14.5 34,12.7 35.2,12.7 35.4,12.5 35.4,10 35.3,9.9 33.9,9.9 33.9,8.2 35.2,8.2 35.3,8.1 35.3,6.5 35.1,6.3 34.1,6.3 34,6.2 34,4.6 34.1,4.5 35.8,4.5 35.9,4.6 35.9,5.7 36,5.8 38.5,5.8 38.7,5.6 38.7,4.5 38.8,4.4 39.4,4.4 39.5,4.5 39.5,5.6 39.6,5.7 40.4,5.7 40.5,5.6 40.5,4.6 40.6,4.5 41.2,4.5 41.3,4.6 41.3,5.6 39.9,7 39.9,12.4 39.4,12.9 38.9,12.9 38.6,13.2 36,13.2 35.9,13.3 35.9,14.4 35.8,14.5
GND on Top: 25.7,48.15 26.7,48.15 26.7,44.65 25.7,44.65 25.45,44.9 22.6,44.9 22.6,47.9 25.45,47.9
GND on Top: 87,26.5 89,26.5 89,20 87,20
GND on Top: 76,49.2 76,63 52.8,63 52.8,49.2
GND on Top: 4.5,10.5 4.25,10.75 4.25,13.25 4.5,13.5 6,13.5 6.25,13.25 6.25,10.75 6,10.5
GND on Top: 14.6,44.75 13.6,44.75 13.6,48.25 14.6,48.25 14.85,48 17.61,48.01 17.61,44.99 14.85,45
GND on Top: 52.8,63 51,63 51,2 52.8,2
GND on Top: 2,63 51,63 51,2 2,2
GND on Top: 3.5,32.8 3.4,32.9 3.1,32.9 3,33 3,33.2 2.9,33.3 1.9,33.3 1.8,33.2 1.8,31.8 1.9,31.7 2.9,31.7 3,31.8 3,32 3.1,32.1 3.4,32.1 3.5,32.2
GND on Top: 21.25,16 21,16.25 21,18.75 21.25,19 22.75,19 23,18.75 23,16.25 22.75,16
GND on Top: 52.8,47.4 53.8,47.4 52.8,46.4
GND on Top: 5.5,54.4 5.25,54.65 5.25,57.15 5.5,57.4 7,57.4 7.25,57.15 7.25,54.65 7,54.4
GND on Top: 21.25,19.5 21,19.75 21,22.25 21.25,22.5 22.75,22.5 23,22.25 23,19.75 22.75,19.5
GND on Top: 50,2.5 49.75,2.25 47.25,2.25 47,2.5 47,4 47.25,4.25 49.75,4.25 50,4
GND on Top: 42.7,20.5 43.7,20.5 43.7,17 42.7,17 42.45,17.25 39.69,17.24 39.69,20.26 42.45,20.25
GND on Top, Bottom: 8,0 0,0 0,8 8,8
GND on Top, Bottom: 8,57 0,57 0,65 8,65
GND on Top, Bottom: 89,0 81,0 81,8 89,8
GND on Top, Bottom, In1.Cu, In2.Cu, In3.Cu, In4.Cu, In5.Cu, In6.Cu: 89,0 89,2 0,2 0,0
GND on Top, Bottom, In1.Cu, In2.Cu, In3.Cu, In4.Cu, In5.Cu, In6.Cu: 89,57 81,57 81,65 89,65
GND on Top, Bottom, In1.Cu, In2.Cu, In3.Cu, In4.Cu, In5.Cu, In6.Cu: 89,63 89,65 0,65 0,63
GND on Top, Bottom, In1.Cu, In2.Cu, In3.Cu, In4.Cu, In5.Cu, In6.Cu: 2,0 2,65 0,65 0,0
GND on Bottom: 39.5,42.5 39.25,42.75 39.25,45.25 39.5,45.5 41,45.5 41.25,45.25 41.25,42.75 41,42.5
GND on Bottom: 45,42.5 44.75,42.75 44.75,45.25 45,45.5 46.5,45.5 46.75,45.25 46.75,42.75 46.5,42.5
GND on Bottom: 29.6,41.5 29.35,41.75 29.35,44.25 29.6,44.5 31.1,44.5 31.35,44.25 31.35,41.75 31.1,41.5
GND on Bottom: 48,24 48.25,23.75 48.25,21.25 48,21 46.5,21 46.25,21.25 46.25,23.75 46.5,24
GND on Bottom: 38.5,21 38.25,21.25 38.25,23.75 38.5,24 40,24 40.25,23.75 40.25,21.25 40,21
GND on Bottom: 38.5,45.5 38.75,45.25 38.75,42.75 38.5,42.5 37,42.5 36.75,42.75 36.75,45.25 37,45.5
GND on Bottom: 37,24 37.25,23.75 37.25,21.25 37,21 35.5,21 35.25,21.25 35.25,23.75 35.5,24
GND on Bottom, In1.Cu, In2.Cu, In3.Cu, In4.Cu, In5.Cu, In6.Cu: 89,0 89,65 87,65 87,0
GND on Bottom, In1.Cu, In3.Cu, In6.Cu: 0,0 0,65 89,65 89,0
GND on In2.Cu, In5.Cu: 89,0 89,65 0,65 0,0
+5P0_USB on Top: 3.5,29.8 3.4,29.9 3.3,29.9 3.2,30 3.2,30.2 3,30.4 2,30.4 1.8,30.2 1.8,28.8 2,28.6 3,28.6 3.2,28.8 3.2,29 3.3,29.1 3.4,29.1 3.5,29.2
+5P0_USB on Bottom: 5.9,29.93 5.8,30 3.3,30 3.2,30.1 3.2,30.2 3,30.4 2,30.4 1.8,30.2 1.8,28.8 2,28.6 3,28.6 3.2,28.8 3.2,28.9 3.3,29 5.8,29 5.9,29.1
/power-supply/PW1.0-PH on Top: 46,14.4 46,10.9 44.9,10.9 44.8,10.8 44.8,9.4 40.5,9.4 40,9.9 40,12.4 39.5,12.9 39,12.9 38.7,13.2 38.7,14.4 39,14.7 45.7,14.7
/power-supply/PW1.8-PH on Top: 25.75,61.7 25.75,58.2 24.65,58.2 24.55,58.1 24.55,56.7 20.25,56.7 19.75,57.2 19.75,59.7 19.25,60.2 18.75,60.2 18.45,60.5 18.45,61.7 18.75,62 25.45,62
/power-supply/PW3.3-PH on Top: 24.8,14.3 24.8,10.8 23.7,10.8 23.6,10.7 23.6,9.3 19.3,9.3 18.8,9.8 18.8,12.3 18.3,12.8 17.8,12.8 17.5,13.1 17.5,14.3 17.8,14.6 24.5,14.6

## Text on the board
F.Mask: M.P
F.Silkscreen: SDR
